# KiCad board oresat-acs-card.kicad_pcb
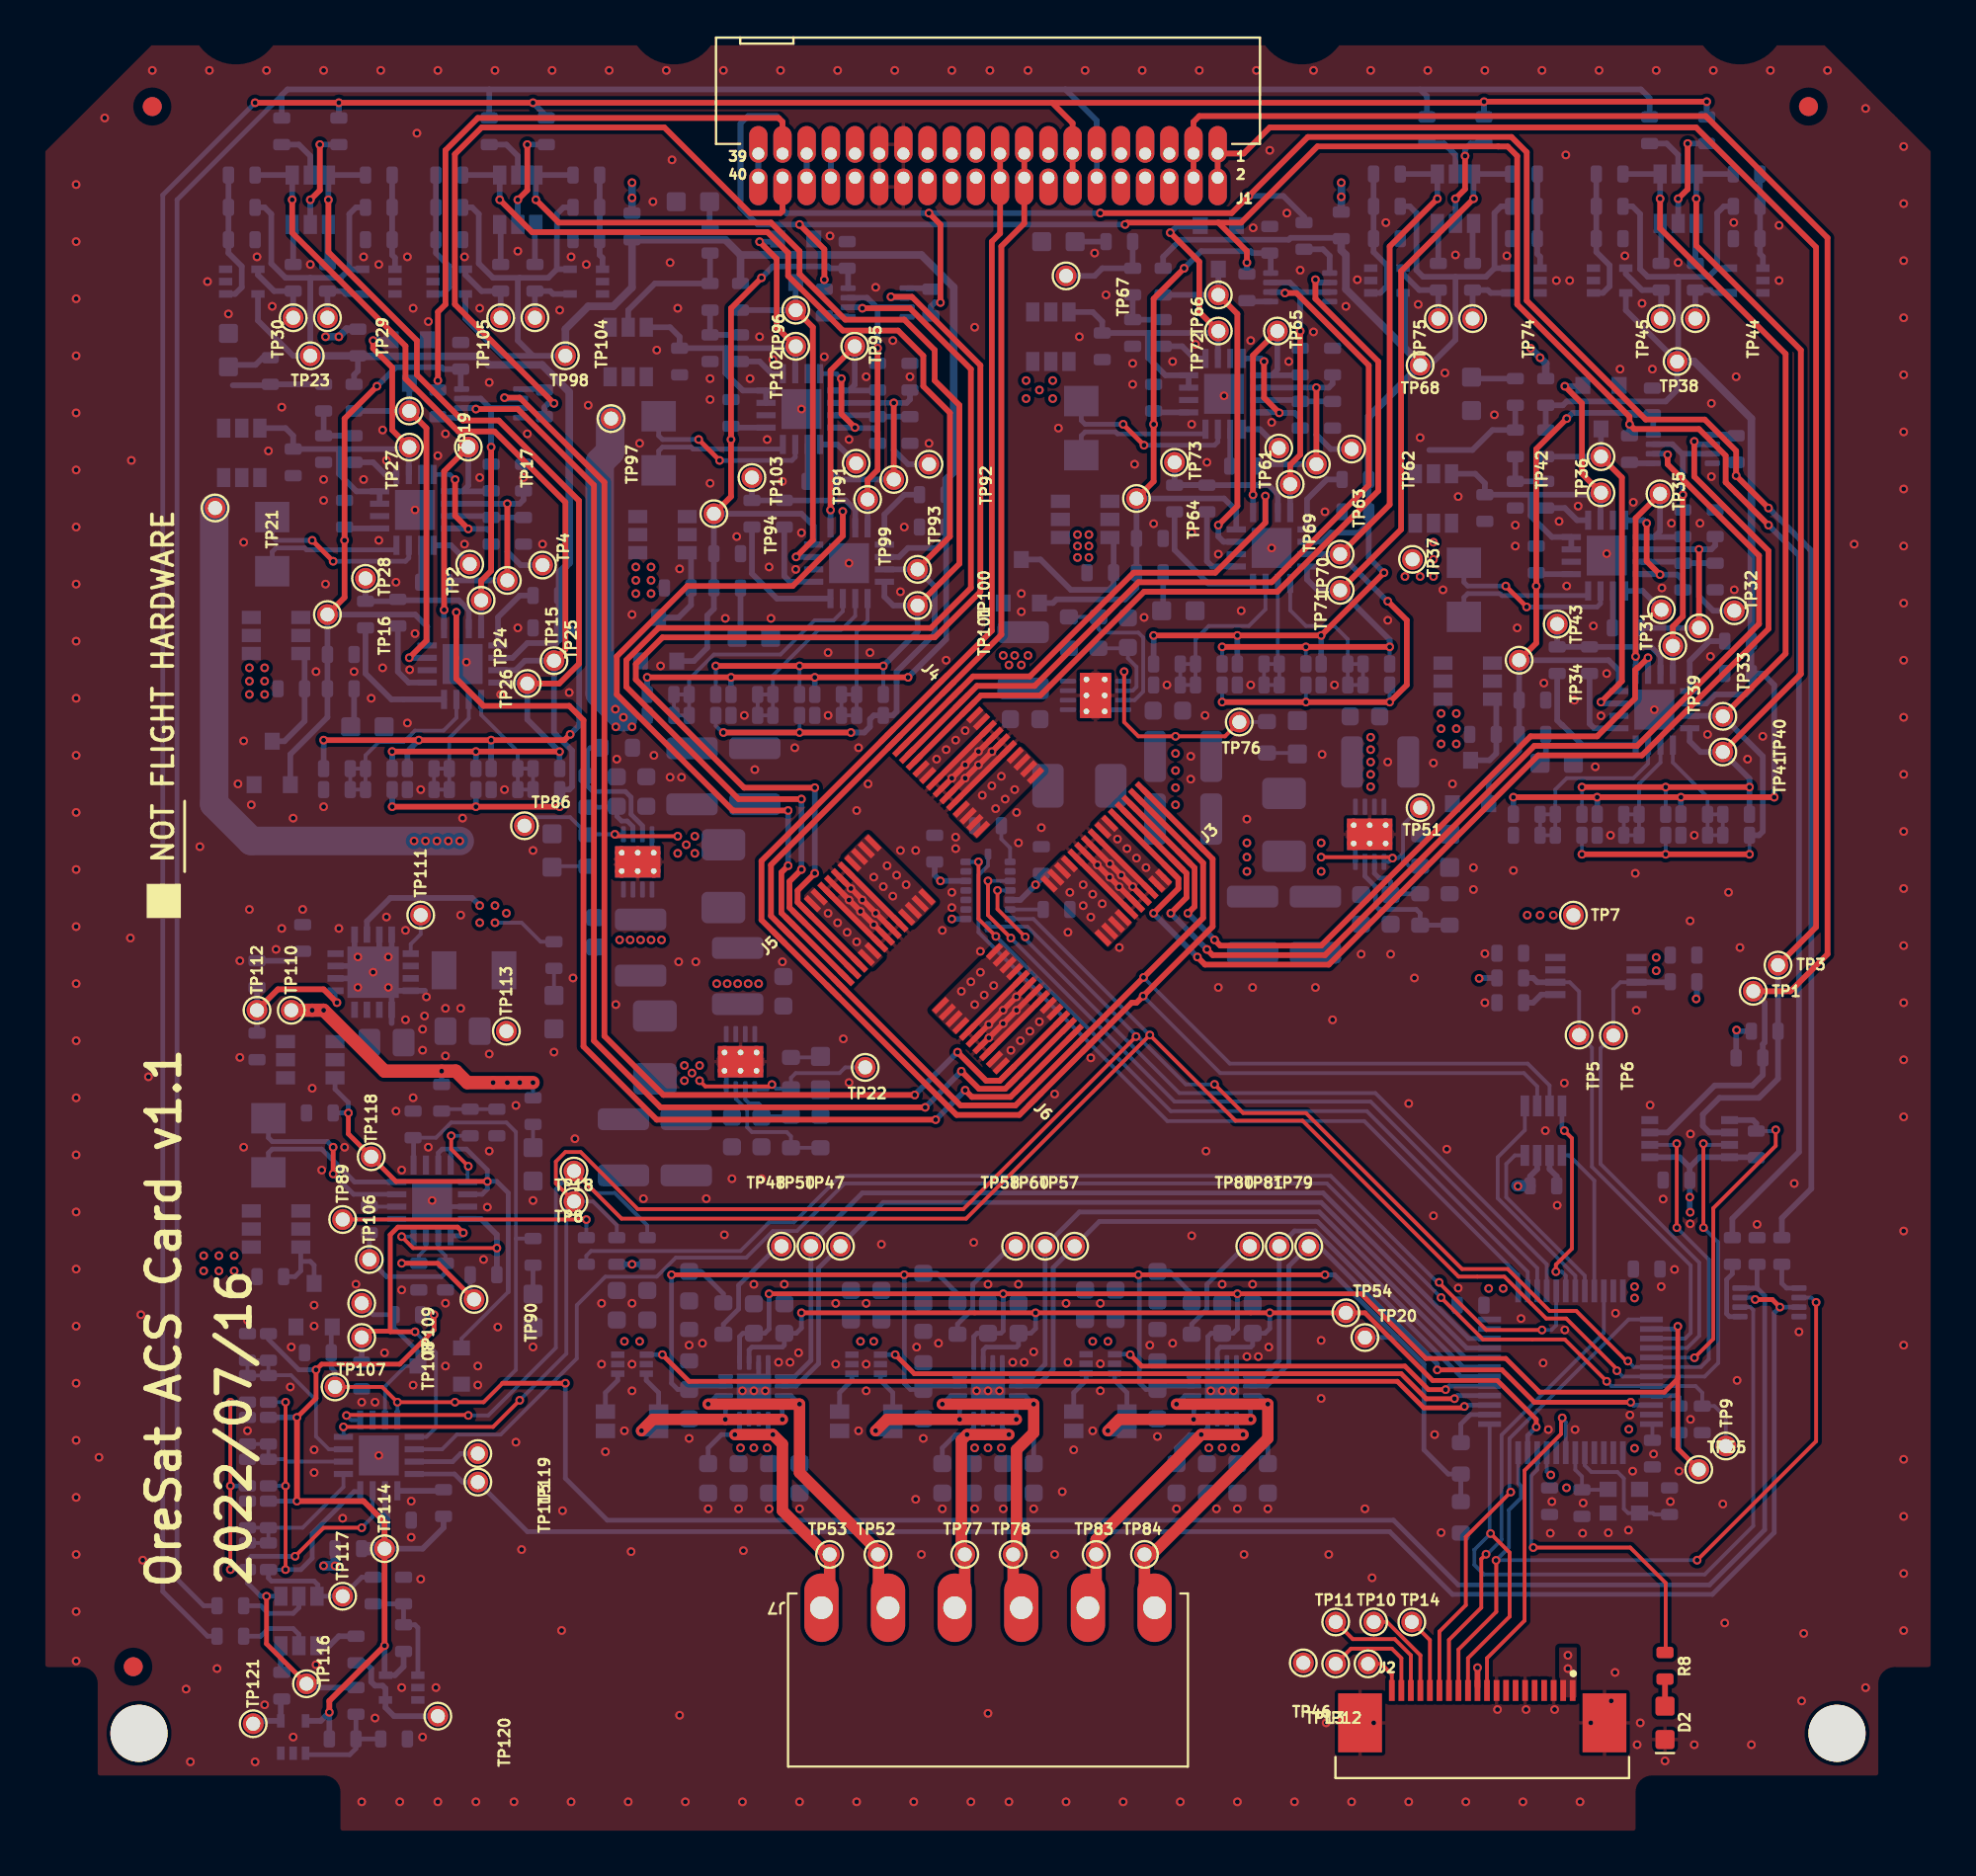
[diagram p0: board, top side]
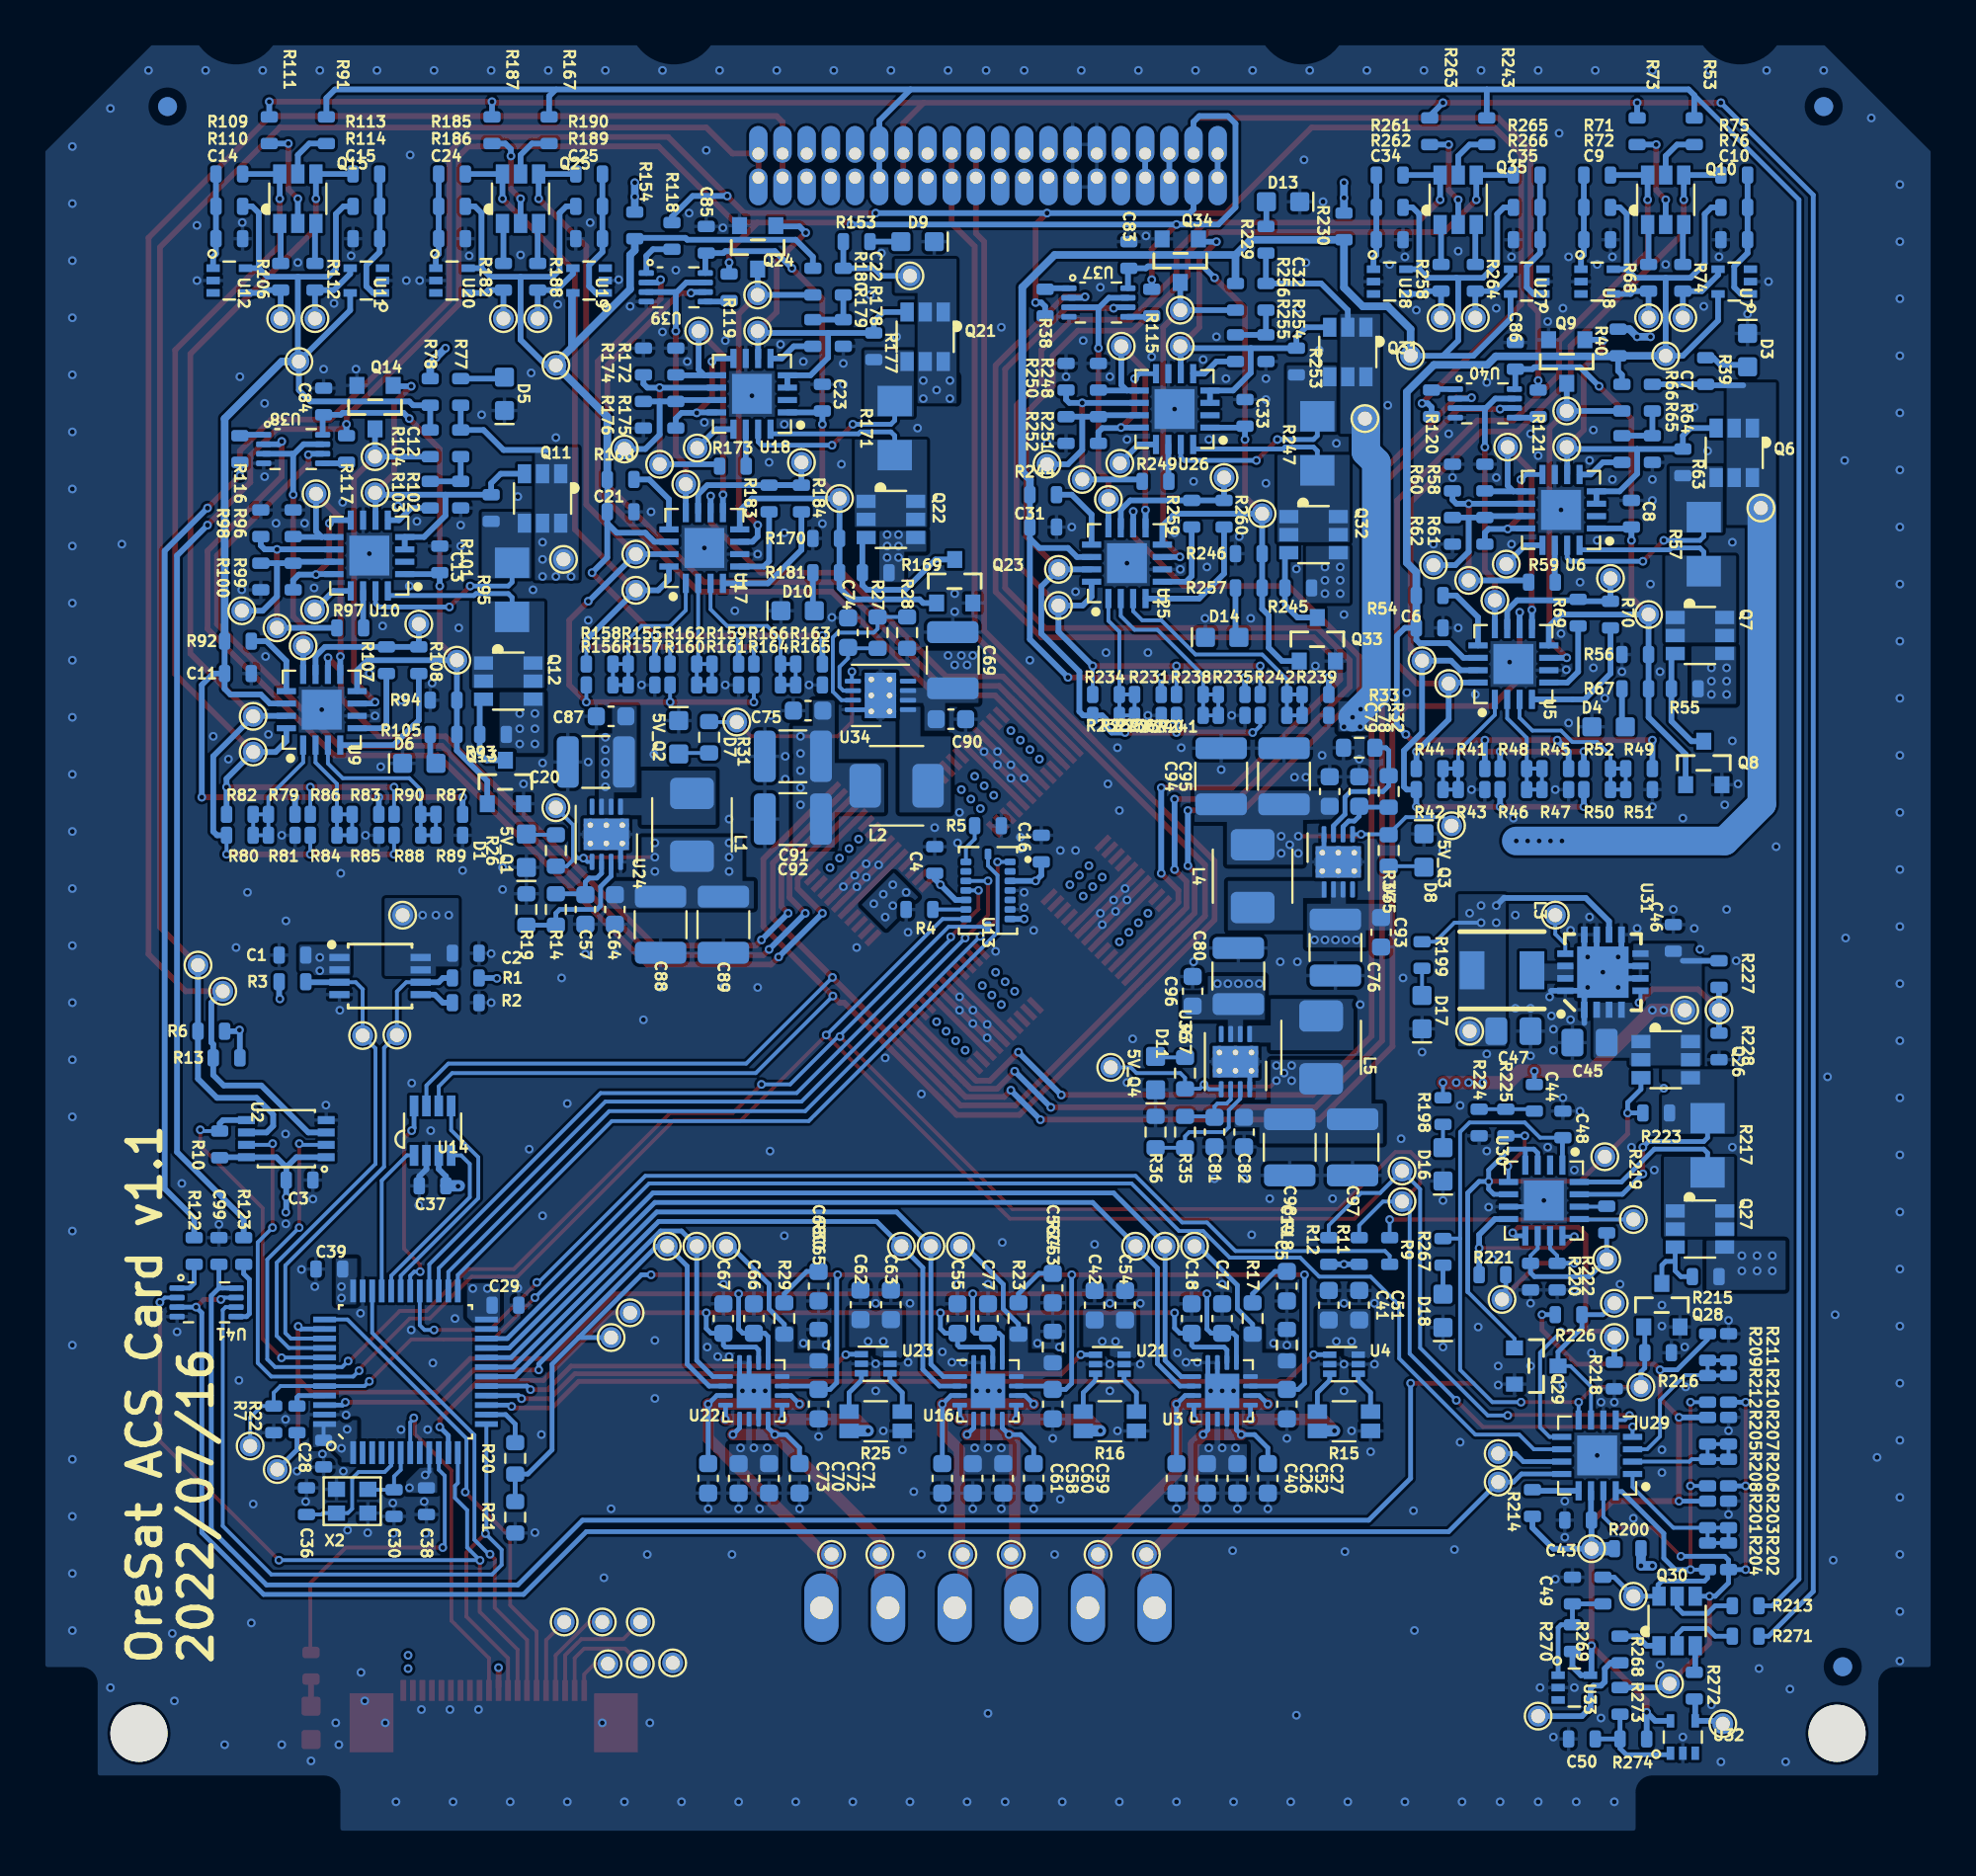
[diagram p1: board, bottom side, seen from below]

Outline 99.8 x 94.6 mm; copper layers: Top, In1.Cu, In2.Cu, Bottom. Coordinates in mm from the lower left corner of the outline.
Stack: Top 0.035mm / dielectric 0.48mm FR4 er 4.5 / In1.Cu 0.035mm / dielectric 0.48mm FR4 er 4.5 / In2.Cu 0.035mm / dielectric 0.48mm FR4 er 4.5 / Bottom 0.035mm

## Placement (name value [footprint] x y rotation side)
C1  1u  [.0603-C-NOSILK]  86.44 46.4 0 bottom
C2  1u  [.0603-C-NOSILK]  77.34 46.5 180 bottom
C3  1u  [.0603-C-NOSILK]  86.06 34.58 180 bottom
C4  1u  [.0603-C-NOSILK]  52.7 51.4 90 bottom
C5  10n  [C_0603_1608Metric]  34.2 22.8 270 bottom
C6  100n  [.0603-C-NOSILK]  26.7 63.6 0 bottom
C7  1u  [.0603-C-NOSILK]  15 75.7 90 bottom
C8  1u  [.0603-C-NOSILK]  16.1 69.6 90 bottom
C9  1u  [.0603-C-NOSILK]  17.9 84 180 bottom
C10  1u  [.0603-C-NOSILK]  10.7 84 0 bottom
C11  100n  [.0603-C-NOSILK]  89.3 61.2 0 bottom
C12  1u  [.0603-C-NOSILK]  77.6 73.3 90 bottom
C13  1u  [.0603-C-NOSILK]  78.7 67.2 90 bottom
C14  1u  [.0603-C-NOSILK]  89.75 84.06 180 bottom
C15  1u  [.0603-C-NOSILK]  82.56 84.06 0 bottom
C16  1u  [.0603-C-NOSILK]  47.1 52 90 bottom
C17  10n  [C_0603_1608Metric]  37.6 27.3 90 bottom
C18  1n  [C_0603_1608Metric]  39.2 27.3 90 bottom
C19  22n  [C_0603_1608Metric]  34.2 29 270 bottom
C20  22u  [C_1210_3225Metric]  70.5 56.55 0 bottom
C21  100n  [.0603-C-NOSILK]  69.2 69.7 0 bottom
C22  1u  [.0603-C-NOSILK]  57.5 81.8 90 bottom
C23  1u  [.0603-C-NOSILK]  58.6 75.7 90 bottom
C24  1u  [.0603-C-NOSILK]  78.06 84.06 180 bottom
C25  1u  [.0603-C-NOSILK]  70.86 84.06 0 bottom
C26  22u  [C_0603_1608Metric]  38.4 18.9 270 bottom
C27  100p  [C_0603_1608Metric]  35.2 18.9 270 bottom
C28  100n  [.0603-C-NOSILK]  84.8 20.2 90 bottom
C29  100n  [.0603-C-NOSILK]  75.25 28 0 bottom
C30  20p  [.0603-C-NOSILK]  81.1 17.6 270 bottom
C31  100n  [.0603-C-NOSILK]  47 68.9 0 bottom
C32  1u  [.0603-C-NOSILK]  35.3 81 90 bottom
C33  1u  [.0603-C-NOSILK]  36.4 74.9 90 bottom
C34  1u  [.0603-C-NOSILK]  28.8 84 180 bottom
C35  1u  [.0603-C-NOSILK]  21.6 84 0 bottom
C36  20p  [.0603-C-NOSILK]  85.7 17.7 90 bottom
C37  100n  [.0603-C-NOSILK]  79.08 34.28 180 bottom
C38  100n  [.0603-C-NOSILK]  79.4 17.7 90 bottom
C39  100n  [.0603-C-NOSILK]  84.5 29.9 180 bottom
C40  100p  [C_0603_1608Metric]  40 18.9 270 bottom
C41  100n  [C_0603_1608Metric]  32 28 90 bottom
C42  100n  [C_0603_1608Metric]  44.3 28 90 bottom
C43  100n  [.0603-C-NOSILK]  18.9 16.7 180 bottom
C44  1u  [.0603-C-NOSILK]  21.2 38.9 90 bottom
C45  10u  [.0805-B-NOSILK]  18.3 41.8 0 bottom
C46  1u  [.0603-C-NOSILK]  13.9 47.3 90 bottom
C47  22u  [.0805-B-NOSILK]  22.3 42.4 180 bottom
C48  1u  [.0603-C-NOSILK]  19.7 37.5 90 bottom
C49  1u  [.0603-C-NOSILK]  19.2 13 90 bottom
C50  1u  [.0603-C-NOSILK]  18.7 5.2 0 bottom
C51  4.7u  [C_0603_1608Metric]  30.4 28 90 bottom
C52  2.2u  [C_0603_1608Metric]  36.8 18.9 270 bottom
C53  10n  [C_0603_1608Metric]  46.5 22.8 270 bottom
C54  4.7u  [C_0603_1608Metric]  42.7 28 90 bottom
C55  1n  [C_0603_1608Metric]  51.5 27.3 90 bottom
C56  22n  [C_0603_1608Metric]  46.5 28.9 270 bottom
C57  2u2  [C_0603_1608Metric]  71.05 48.8 270 bottom
C58  22u  [C_0603_1608Metric]  50.7 18.9 270 bottom
C59  100p  [C_0603_1608Metric]  47.5 18.9 270 bottom
C60  2.2u  [C_0603_1608Metric]  49.1 18.9 270 bottom
C61  100p  [C_0603_1608Metric]  52.3 18.9 270 bottom
C62  100n  [C_0603_1608Metric]  56.6 28.02 90 bottom
C63  4.7u  [C_0603_1608Metric]  55 28.02 90 bottom
C64  100n  [C_0603_1608Metric]  69.5 48.8 270 bottom
C65  10n  [C_0603_1608Metric]  58.8 22.8 270 bottom
C66  10n  [C_0603_1608Metric]  62.2 27.3 90 bottom
C67  1n  [C_0603_1608Metric]  63.8 27.3 90 bottom
C68  22n  [C_0603_1608Metric]  58.8 29 270 bottom
C69  22u  [C_1210_3225Metric]  51.75 61.9 90 bottom
C70  22u  [C_0603_1608Metric]  63 18.9 270 bottom
C71  100p  [C_0603_1608Metric]  59.8 18.9 270 bottom
C72  2.2u  [C_0603_1608Metric]  61.4 18.9 270 bottom
C73  100p  [C_0603_1608Metric]  64.6 18.9 270 bottom
C74  2u2  [C_0603_1608Metric]  57.25 63.35 90 bottom
C75  100n  [C_0603_1608Metric]  59.35 59.25 0 bottom
C76  22u  [C_1210_3225Metric]  31.65 46.8 270 bottom
C77  10n  [C_0603_1608Metric]  49.9 27.3 90 bottom
C78  2u2  [C_0603_1608Metric]  30.4 55 90 bottom
C79  100n  [C_0603_1608Metric]  31.95 55 90 bottom
C80  22u  [C_1210_3225Metric]  36.75 45.3 90 bottom
C81  2u2  [C_0603_1608Metric]  38 37.1 270 bottom
C82  100n  [C_0603_1608Metric]  36.45 37.1 270 bottom
C83  100n  [.0603-C-NOSILK]  42.5 83.2 270 bottom
C84  100n  [.0603-C-NOSILK]  84.8 75.5 270 bottom
C85  100n  [.0603-C-NOSILK]  64.7 84 270 bottom
C86  100n  [.0603-C-NOSILK]  22.2 77.9 270 bottom
C87  100n  [C_0603_1608Metric]  69.7 58.95 0 bottom
C88  22u  [C_1210_3225Metric]  67.1 48 270 bottom
C89  22u  [C_1210_3225Metric]  63.8 48 270 bottom
C90  100n  [C_0603_1608Metric]  51.85 58.8 180 bottom
C91  22u  [C_1210_3225Metric]  60.15 56.85 0 bottom
C92  22u  [C_1210_3225Metric]  60.15 53.55 0 bottom
C93  100n  [C_0603_1608Metric]  29.25 47.6 270 bottom
C94  22u  [C_1210_3225Metric]  37.65 55.8 90 bottom
C95  22u  [C_1210_3225Metric]  34.35 55.8 90 bottom
C96  100n  [C_0603_1608Metric]  39.15 44.5 90 bottom
C97  22u  [C_1210_3225Metric]  30.75 36.3 270 bottom
C98  22u  [C_1210_3225Metric]  34.05 36.3 270 bottom
C99  100n  [.0603-C-NOSILK]  90.3 30.85 270 bottom
D1  LED-GREEN0603  [LED-0603]  74.15 51.89 270 bottom
D2  AMBER  [LED-0603]  85.46 6.05 270 top
D3  GREEN  [LED-0603]  10 78.2 90 bottom
D4  AMBER  [LED-0603]  17.3 58.4 0 bottom
D5  GREEN  [LED-0603]  75.3 75.9 270 bottom
D6  AMBER  [LED-0603]  79.78 56.48 0 bottom
D7  LED-GREEN0603  [LED-0603]  66.15 57.85 90 bottom
D8  LED-GREEN0603  [LED-0603]  27 51.9 90 bottom
D9  GREEN  [LED-0603]  53.6 83.9 180 bottom
D10  AMBER  [LED-0603]  59.9 64.5 0 bottom
D11  LED-GREEN0603  [LED-0603]  41.1 40.2 270 bottom
D13  GREEN  [LED-0603]  34.4 86 180 bottom
D14  AMBER  [LED-0603]  37.6 63.1 0 bottom
D16  GREEN  [LED-0603]  26 35.4 270 bottom
D17  GREEN  [LED-0603]  27.1 43.4 270 bottom
D18  AMBER  [LED-0603]  26 27.7 270 bottom
FIDUCIAL1  -  [FIDUCIAL-1.0X2.0]  6 91 0 top
FIDUCIAL2  -  [FIDUCIAL-1.0X2.0]  5 9 0 top
FIDUCIAL3  -  [FIDUCIAL-1.0X2.0]  93 91 0 top
FIDUCIAL4  -  [FIDUCIAL-1.0X2.0]  5 9 180 bottom
FIDUCIAL5  -  [FIDUCIAL-1.0X2.0]  93 91 180 bottom
FIDUCIAL6  -  [FIDUCIAL-1.0X2.0]  6 91 180 bottom
J1  -  [J-SAMTEC-TFM-120-X1-XXX-D-RA]  49.9 87.89 0 top
J2  ORESAT-DEBUG-CONNECTOR-SOLAR  [J-TE_2-1734592-0]  75.86 6.05 180 top
J3  QUADRANT 1  [J-Molex-555600307]  57 51.2 225 top
J4  QUADRANT 2  [J-Molex-555600307]  48.5 56.9 315 top
J5  QUADRANT 3  [J-Molex-555600307]  42.8 48.4 45 top
J6  QUADTRANT 4  [J-Molex-555600307]  51.3 42.7 135 top
J7  Conn_01x06  [691243100006]  49.9 12.1 180 top
L1  3u3  [L_ECS-MPI4040]  65.45 53.25 270 bottom
L2  3u3  [L_ECS-MPI4040]  54.7 55.3 0 bottom
L3  6.8u  [ECS-MPI4040]  22.9 45.6 270 bottom
L4  3u3  [L_ECS-MPI4040]  36 50.55 90 bottom
L5  3u3  [L_ECS-MPI4040]  32.4 41.55 270 bottom
PCB1  -  [ORESAT-CARD-V1.3-GENERIC-0RF]  0 0 0 top
Q6  MOSFET-PCH-SOT23-6  [SOT23-6]  10.7 72.8 0 bottom
Q7  MOSFET-PCH-SOT23-6  [SOT23-6]  12.5 63.2 270 bottom
Q8  PMV45EN  [SOT23]  12.3 56.5 180 bottom
Q9  PMV45EN  [SOT23]  19.5 77.6 0 bottom
Q10  MOSFET-PCH-dual-SOT23-6  [SOT23-6]  14.3 86.1 180 bottom
Q11  MOSFET-PCH-SOT23-6  [SOT23-6]  73.3 70.4 0 bottom
Q12  MOSFET-PCH-SOT23-6  [SOT23-6]  75.1 60.8 270 bottom
Q13  PMV45EN  [SOT23]  75.25 55.5 180 bottom
Q14  PMV45EN  [SOT23]  82.1 75.2 0 bottom
Q15  MOSFET-PCH-dual-SOT23-6  [SOT23-6]  86.16 86.16 180 bottom
Q21  MOSFET-PCH-SOT23-6  [SOT23-6]  53.2 78.9 0 bottom
Q22  MOSFET-PCH-SOT23-6  [SOT23-6]  55 69.3 270 bottom
Q23  PMV45EN  [SOT23]  51.65 66.05 180 bottom
Q24  PMV45EN  [SOT23]  62 83.6 0 bottom
Q25  MOSFET-PCH-dual-SOT23-6  [SOT23-6]  74.46 86.16 180 bottom
Q26  MOSFET-PCH-SOT23-6  [SOT23-6]  14.3 40.9 270 bottom
Q27  MOSFET-PCH-SOT23-6  [SOT23-6]  12.5 32 270 bottom
Q28  PMV45EN  [SOT23]  14.5 28 180 bottom
Q29  PMV45EN  [SOT23]  21.1 24.8 270 bottom
Q30  MOSFET-PCH-dual-SOT23-6  [SOT23-6]  13.7 11.4 180 bottom
Q31  MOSFET-PCH-SOT23-6  [SOT23-6]  31 78.1 0 bottom
Q32  MOSFET-PCH-SOT23-6  [SOT23-6]  32.8 68.5 270 bottom
Q33  PMV45EN  [SOT23]  32.6 63 180 bottom
Q34  PMV45EN  [SOT23]  39.8 82.9 0 bottom
Q35  MOSFET-PCH-dual-SOT23-6  [SOT23-6]  25.2 86.1 180 bottom
R1  10k  [.0603-C-NOSILK]  77.34 45.2 180 bottom
R2  23.7k  [.0603-C-NOSILK]  77.34 43.9 0 bottom
R3  10k  [.0603-C-NOSILK]  86.44 45 0 bottom
R4  10k  [.0603-C-NOSILK]  53.5 48.8 180 bottom
R5  10k  [.0603-C-NOSILK]  49.9 53.2 0 bottom
R6  10k  [.0603-C-NOSILK]  90.7 42.4 0 bottom
R7  10k  [.0603-C-NOSILK]  87.42 22 90 bottom
R8  2.7k  [.0603-C-NOSILK]  85.46 9.05 90 top
R9  10k  [.0603-C-NOSILK]  28.8 30.85 270 bottom
R10  10k  [.0603-C-NOSILK]  90.26 36.45 90 bottom
R11  2.7k  [.0603-C-NOSILK]  30.4 30.85 270 bottom
R12  2.7k  [.0603-C-NOSILK]  32 30.85 270 bottom
R13  10k  [.0603-C-NOSILK]  89.9 41 0 bottom
R14  100k  [R_0603_1608Metric]  72.6 48.8 90 bottom
R15  30m  [WSK1206]  31.2 21.9 0 bottom
R16  30m  [WSK1206]  43.5 21.9 0 bottom
R17  1k  [R_0603_1608Metric]  36 27.3 90 bottom
R18  47k  [R_0603_1608Metric]  34.2 25.9 90 bottom
R19  100k  [R_0603_1608Metric]  74.15 48.8 90 bottom
R20  100k  [R_0603_1608Metric]  74.74 19.95 90 bottom
R21  1k  [R_0603_1608Metric]  74.74 16.85 90 bottom
R22  18k  [.0603-C-NOSILK]  86.2 22 270 bottom
R23  1k  [R_0603_1608Metric]  48.3 27.3 90 bottom
R24  47k  [R_0603_1608Metric]  46.5 25.8 90 bottom
R25  30m  [WSK1206]  55.8 21.9 0 bottom
R26  10k  [R_0603_1608Metric]  72.6 51.9 90 bottom
R27  100k  [R_0603_1608Metric]  55.7 63.35 90 bottom
R28  100k  [R_0603_1608Metric]  54.15 63.35 270 bottom
R29  1k  [R_0603_1608Metric]  60.6 27.3 90 bottom
R30  47k  [R_0603_1608Metric]  58.8 25.9 90 bottom
R31  10k  [R_0603_1608Metric]  64.55 57.85 270 bottom
R32  100k  [R_0603_1608Metric]  28.85 55 90 bottom
R33  100k  [R_0603_1608Metric]  30.4 57.3 0 bottom
R34  10k  [R_0603_1608Metric]  28.85 51.9 270 bottom
R35  100k  [R_0603_1608Metric]  39.55 37.1 270 bottom
R36  100k  [R_0603_1608Metric]  41.1 37.1 90 bottom
R37  10k  [R_0603_1608Metric]  39.55 40.2 90 bottom
R38  10k  [.0603-C-NOSILK]  46.9 80.7 90 bottom
R39  10k  [.0603-C-NOSILK]  12.2 77.1 270 bottom
R40  10  [.0603-C-NOSILK]  16.8 78.6 270 bottom
R41  NP  [.0603-C-NOSILK]  24.5 56.2 180 bottom
R42  NP  [.0603-C-NOSILK]  26.7 55.1 180 bottom
R43  NP  [.0603-C-NOSILK]  24.5 55.1 0 bottom
R44  NP  [.0603-C-NOSILK]  26.7 56.2 0 bottom
R45  NP  [.0603-C-NOSILK]  20.1 56.2 180 bottom
R46  NP  [.0603-C-NOSILK]  22.3 55.1 180 bottom
R47  NP  [.0603-C-NOSILK]  20.1 55.1 0 bottom
R48  NP  [.0603-C-NOSILK]  22.3 56.2 0 bottom
R49  NP  [.0603-C-NOSILK]  15.7 56.2 180 bottom
R50  NP  [.0603-C-NOSILK]  17.9 55.1 180 bottom
R51  NP  [.0603-C-NOSILK]  15.7 55.1 0 bottom
R52  NP  [.0603-C-NOSILK]  17.9 56.2 0 bottom
R53  100  [.0603-C-NOSILK]  12.8 89.7 270 bottom
R54  10k  [.0603-C-NOSILK]  26.7 65.3 0 bottom
R55  10k  [.0603-C-NOSILK]  13.3 60.4 180 bottom
R56  10k  [.0603-C-NOSILK]  15.9 62.2 180 bottom
R57  100m  [R1206]  12.3 68 90 bottom
R58  10k  [.0603-C-NOSILK]  23.8 71.5 270 bottom
R59  0  [.0603-C-NOSILK]  20.8 66 180 bottom
R60  NP  [.0603-C-NOSILK]  25.5 71.5 270 bottom
R61  0  [.0603-C-NOSILK]  23.8 68.7 270 bottom
R62  NP  [.0603-C-NOSILK]  25.5 68.7 90 bottom
R63  10k  [.0603-C-NOSILK]  13.4 72.3 270 bottom
R64  100k  [.0603-C-NOSILK]  15 73 90 bottom
R65  10k  [.0603-C-NOSILK]  16.6 73 90 bottom
R66  10k  [.0603-C-NOSILK]  16.6 75.7 90 bottom
R67  4.7k  [.0603-C-NOSILK]  15.9 60.4 180 bottom
R68  665k  [.0603-C-NOSILK]  15.2 82 90 bottom
R69  47k  [.0603-C-NOSILK]  18.9 64.4 270 bottom
R70  47k  [.0603-C-NOSILK]  17.2 64.3 270 bottom
R71  330k  [.0603-C-NOSILK]  17.9 87.4 180 bottom
R72  1M  [.0603-C-NOSILK]  17.9 85.7 180 bottom
R73  100  [.0603-C-NOSILK]  15.8 89.7 270 bottom
R74  665k  [.0603-C-NOSILK]  13.4 82 90 bottom
R75  330k  [.0603-C-NOSILK]  10.7 87.4 0 bottom
R76  1M  [.0603-C-NOSILK]  10.7 85.7 0 bottom
R77  10k  [.0603-C-NOSILK]  77.6 76 270 bottom
R78  10  [.0603-C-NOSILK]  79.2 76 270 bottom
R79  NP  [.0603-C-NOSILK]  87 53.8 180 bottom
R80  NP  [.0603-C-NOSILK]  89.2 52.7 180 bottom
R81  NP  [.0603-C-NOSILK]  87 52.7 0 bottom
R82  NP  [.0603-C-NOSILK]  89.2 53.8 0 bottom
R83  NP  [.0603-C-NOSILK]  82.6 53.8 180 bottom
R84  NP  [.0603-C-NOSILK]  84.8 52.7 180 bottom
R85  NP  [.0603-C-NOSILK]  82.6 52.7 0 bottom
R86  NP  [.0603-C-NOSILK]  84.8 53.8 0 bottom
R87  NP  [.0603-C-NOSILK]  78.2 53.8 180 bottom
R88  NP  [.0603-C-NOSILK]  80.4 52.7 180 bottom
R89  NP  [.0603-C-NOSILK]  78.2 52.7 0 bottom
R90  NP  [.0603-C-NOSILK]  80.4 53.8 0 bottom
R91  100  [.0603-C-NOSILK]  84.66 89.76 270 bottom
R92  10k  [.0603-C-NOSILK]  89.3 62.9 0 bottom
R93  10k  [.0603-C-NOSILK]  75.9 58 180 bottom
R94  10k  [.0603-C-NOSILK]  78.5 59.8 180 bottom
R95  100m  [R1206]  74.9 65.6 90 bottom
R96  10k  [.0603-C-NOSILK]  86.4 69.1 270 bottom
R97  0  [.0603-C-NOSILK]  83.4 63.6 180 bottom
R98  NP  [.0603-C-NOSILK]  88.1 69.1 270 bottom
R99  0  [.0603-C-NOSILK]  86.4 66.3 270 bottom
R100  NP  [.0603-C-NOSILK]  88.1 66.3 90 bottom
R101  10k  [.0603-C-NOSILK]  76 69.9 270 bottom
R102  100k  [.0603-C-NOSILK]  77.6 70.6 90 bottom
R103  10k  [.0603-C-NOSILK]  79.2 70.6 90 bottom
R104  10k  [.0603-C-NOSILK]  79.2 73.3 90 bottom
R105  4.7k  [.0603-C-NOSILK]  78.5 58 180 bottom
R106  665k  [.0603-C-NOSILK]  87.06 82.06 90 bottom
R107  47k  [.0603-C-NOSILK]  81.5 61.9 270 bottom
R108  47k  [.0603-C-NOSILK]  79.8 61.9 270 bottom
R109  330k  [.0603-C-NOSILK]  89.75 87.46 180 bottom
R110  1M  [.0603-C-NOSILK]  89.75 85.76 180 bottom
R111  100  [.0603-C-NOSILK]  87.66 89.76 270 bottom
R112  665k  [.0603-C-NOSILK]  85.25 82.06 90 bottom
R113  330k  [.0603-C-NOSILK]  82.56 87.46 0 bottom
R114  1M  [.0603-C-NOSILK]  82.56 85.76 0 bottom
R115  10k  [.0603-C-NOSILK]  41.3 80.7 270 bottom
R116  10k  [.0603-C-NOSILK]  89.2 73 90 bottom
R117  10k  [.0603-C-NOSILK]  83.6 73 270 bottom
R118  10k  [.0603-C-NOSILK]  66.5 84.2 270 bottom
R119  10k  [.0603-C-NOSILK]  63.5 81.5 270 bottom
R120  10k  [.0603-C-NOSILK]  26.6 75.4 90 bottom
R121  10k  [.0603-C-NOSILK]  21 75.4 270 bottom
R122  10k  [.0603-C-NOSILK]  91.6 30.85 270 bottom
R123  10k  [.0603-C-NOSILK]  89 30.85 270 bottom
R153  10k  [.0603-C-NOSILK]  56.8 83.9 0 bottom
R154  10  [.0603-C-NOSILK]  68.46 84.76 270 bottom
R155  NP  [.0603-C-NOSILK]  68.1 61.7 180 bottom
R156  NP  [.0603-C-NOSILK]  70.3 60.6 180 bottom
R157  NP  [.0603-C-NOSILK]  68.1 60.6 0 bottom
R158  NP  [.0603-C-NOSILK]  70.3 61.7 0 bottom
R159  NP  [.0603-C-NOSILK]  63.7 61.7 180 bottom
R160  NP  [.0603-C-NOSILK]  65.9 60.6 180 bottom
R161  NP  [.0603-C-NOSILK]  63.7 60.6 0 bottom
R162  NP  [.0603-C-NOSILK]  65.9 61.7 0 bottom
R163  NP  [.0603-C-NOSILK]  59.3 61.7 180 bottom
R164  NP  [.0603-C-NOSILK]  61.5 60.6 180 bottom
R165  NP  [.0603-C-NOSILK]  59.3 60.6 0 bottom
R166  NP  [.0603-C-NOSILK]  61.5 61.7 0 bottom
R167  100  [.0603-C-NOSILK]  72.96 89.76 270 bottom
R168  10k  [.0603-C-NOSILK]  69.2 71.4 0 bottom
R169  10k  [.0603-C-NOSILK]  55.8 66.5 180 bottom
R170  10k  [.0603-C-NOSILK]  58.4 68.3 180 bottom
R171  100m  [R1206]  54.8 74.1 90 bottom
R172  10k  [.0603-C-NOSILK]  66.3 77.6 270 bottom
R173  0  [.0603-C-NOSILK]  63.3 72.1 180 bottom
R174  NP  [.0603-C-NOSILK]  68 77.6 270 bottom
R175  0  [.0603-C-NOSILK]  66.3 74.8 270 bottom
R176  NP  [.0603-C-NOSILK]  68 74.8 90 bottom
R177  10k  [.0603-C-NOSILK]  55.9 78.4 270 bottom
R178  100k  [.0603-C-NOSILK]  57.5 79.1 90 bottom
R179  10k  [.0603-C-NOSILK]  59.1 79.1 90 bottom
R180  10k  [.0603-C-NOSILK]  59.1 81.8 90 bottom
R181  4.7k  [.0603-C-NOSILK]  58.4 66.5 180 bottom
R182  665k  [.0603-C-NOSILK]  75.36 82.06 90 bottom
R183  47k  [.0603-C-NOSILK]  61.4 70.4 270 bottom
R184  47k  [.0603-C-NOSILK]  59.7 70.4 270 bottom
R185  330k  [.0603-C-NOSILK]  78.06 87.46 180 bottom
R186  1M  [.0603-C-NOSILK]  78.06 85.76 180 bottom
R187  100  [.0603-C-NOSILK]  75.96 89.76 270 bottom
R188  665k  [.0603-C-NOSILK]  73.56 82.06 90 bottom
R189  330k  [.0603-C-NOSILK]  70.86 87.46 0 bottom
R190  1M  [.0603-C-NOSILK]  70.86 85.76 0 bottom
R198  10k  [.0603-C-NOSILK]  26 38.2 90 bottom
R199  10k  [.0603-C-NOSILK]  27.1 46.4 90 bottom
R200  10  [.0603-C-NOSILK]  16.3 15.2 0 bottom
R201  NP  [.0603-C-NOSILK]  12.1 17 90 bottom
R202  NP  [.0603-C-NOSILK]  11 14.8 90 bottom
R203  NP  [.0603-C-NOSILK]  11 17 270 bottom
R204  NP  [.0603-C-NOSILK]  12.1 14.8 270 bottom
R205  NP  [.0603-C-NOSILK]  12.1 21.4 90 bottom
R206  NP  [.0603-C-NOSILK]  11 19.2 90 bottom
R207  NP  [.0603-C-NOSILK]  11 21.4 270 bottom
R208  NP  [.0603-C-NOSILK]  12.1 19.2 270 bottom
R209  NP  [.0603-C-NOSILK]  12.1 25.8 90 bottom
R210  NP  [.0603-C-NOSILK]  11 23.6 90 bottom
R211  NP  [.0603-C-NOSILK]  11 25.8 270 bottom
R212  NP  [.0603-C-NOSILK]  12.1 23.6 270 bottom
R213  100  [.0603-C-NOSILK]  10.1 12.2 0 bottom
R214  10k  [.0603-C-NOSILK]  21.3 17.6 270 bottom
R215  10k  [.0603-C-NOSILK]  12.2 29.5 180 bottom
R216  10k  [.0603-C-NOSILK]  14.7 25.5 0 bottom
R217  100m  [R1206]  12.1 36.4 90 bottom
R218  10k  [.0603-C-NOSILK]  17 24.3 90 bottom
R219  0  [.0603-C-NOSILK]  17.4 32.5 90 bottom
R220  NP  [.0603-C-NOSILK]  21.4 29.5 90 bottom
R221  0  [.0603-C-NOSILK]  23.4 29.6 0 bottom
R222  NP  [.0603-C-NOSILK]  20 29.5 90 bottom
R223  10k  [.0603-C-NOSILK]  14.8 38.1 180 bottom
R224  100k  [.0603-C-NOSILK]  24.1 37.6 90 bottom
R225  10k  [.0603-C-NOSILK]  22.7 37.6 90 bottom
R226  10k  [.0603-C-NOSILK]  19.4 27.5 0 bottom
R227  10k  [.0603-C-NOSILK]  11.5 45.4 90 bottom
R228  NP  [.0603-C-NOSILK]  11.5 41.6 90 bottom
R229  10k  [.0603-C-NOSILK]  35.3 84 270 bottom
R230  10  [.0603-C-NOSILK]  31.2 84.7 270 bottom
R231  NP  [.0603-C-NOSILK]  41.5 60.1 180 bottom
R232  NP  [.0603-C-NOSILK]  43.7 59 180 bottom
R233  NP  [.0603-C-NOSILK]  41.5 59 0 bottom
R234  NP  [.0603-C-NOSILK]  43.7 60.1 0 bottom
R235  NP  [.0603-C-NOSILK]  37.1 60.1 180 bottom
R236  NP  [.0603-C-NOSILK]  39.3 59 180 bottom
R237  NP  [.0603-C-NOSILK]  37.1 59 0 bottom
R238  NP  [.0603-C-NOSILK]  39.3 60.1 0 bottom
R239  NP  [.0603-C-NOSILK]  32.7 60.1 180 bottom
R240  NP  [.0603-C-NOSILK]  34.9 59 180 bottom
R241  NP  [.0603-C-NOSILK]  32.7 59 0 bottom
R242  NP  [.0603-C-NOSILK]  34.9 60.1 0 bottom
R243  100  [.0603-C-NOSILK]  23.7 89.7 270 bottom
R244  10k  [.0603-C-NOSILK]  47 70.6 0 bottom
R245  10k  [.0603-C-NOSILK]  33.6 65.7 180 bottom
R246  10k  [.0603-C-NOSILK]  36.2 67.5 180 bottom
R247  100m  [R1206]  32.6 73.3 90 bottom
R248  10k  [.0603-C-NOSILK]  44.1 76.8 270 bottom
R249  0  [.0603-C-NOSILK]  41.1 71.3 180 bottom